# KiCad board Ultrasonic Sound Steering - Control Rev. A.kicad_pcb (continued)
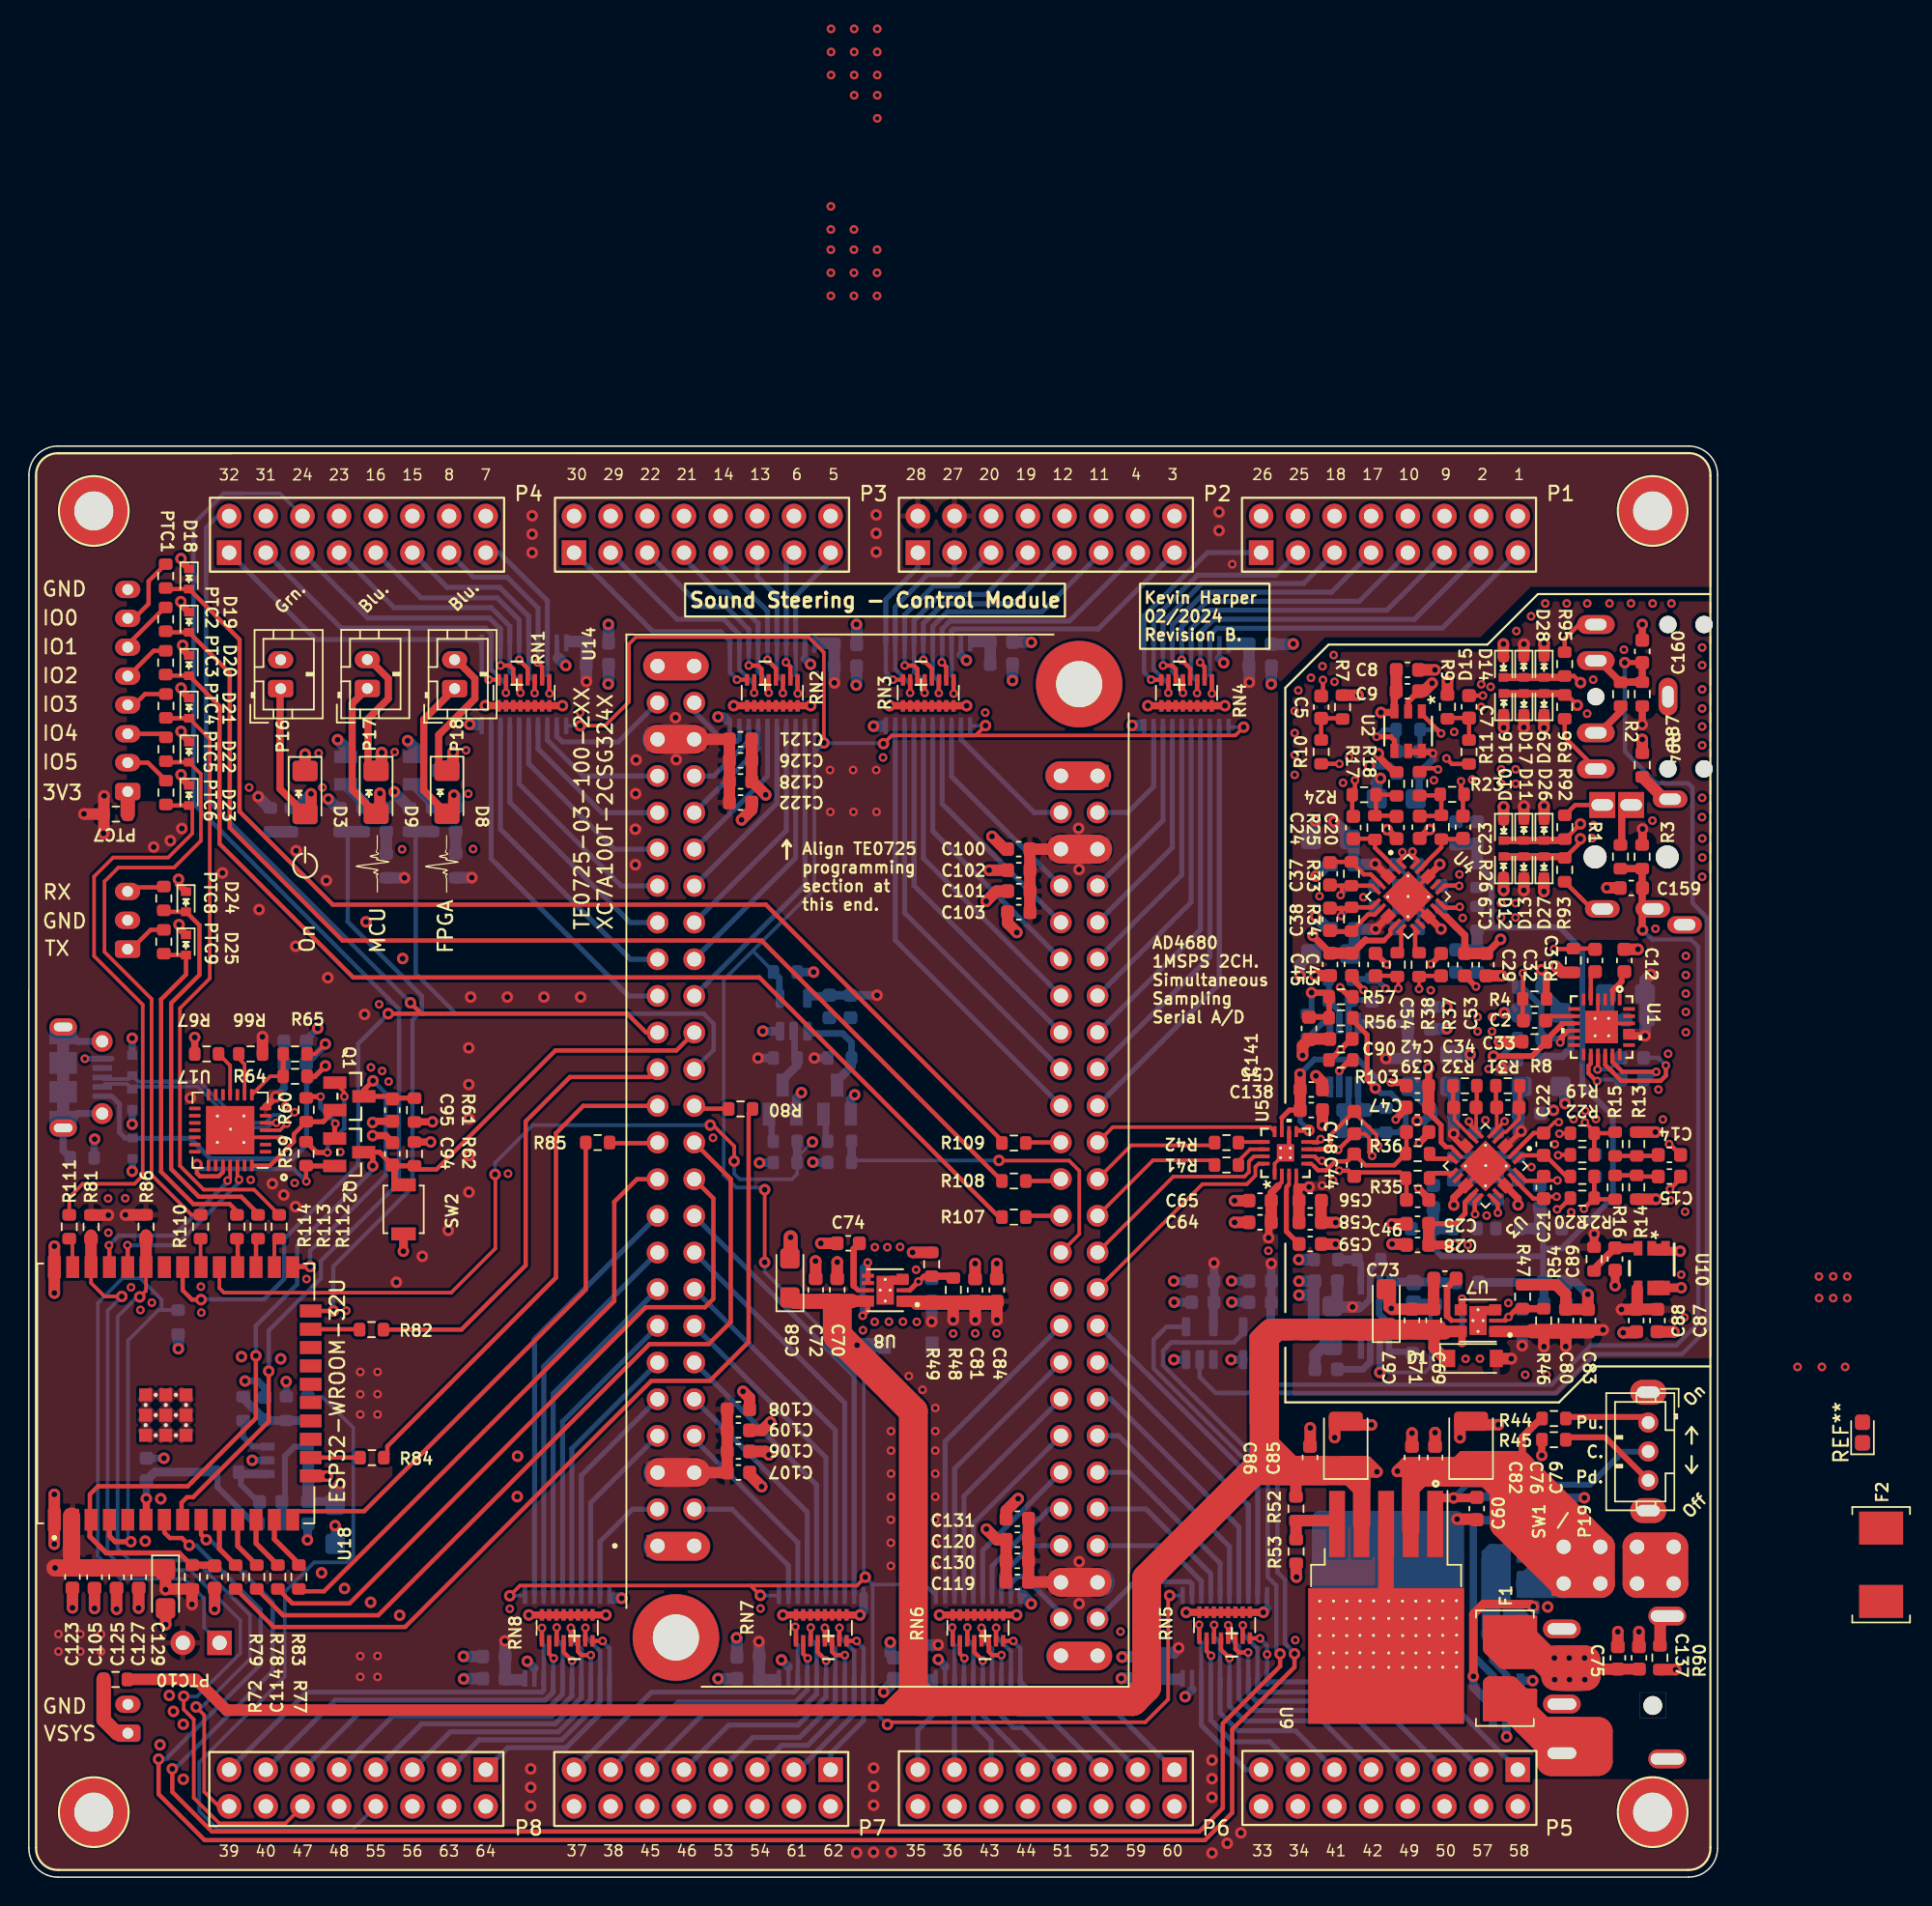
[diagram p0: board, top side]
## Nets (continued)
Net-(C142-Pad1): C142.1 R58.2 U11.7
Net-(C142-Pad2): C142.2 R106.1 U11.6
Net-(C153-Pad1): C153.1 U24.3
Net-(C153-Pad2): C153.2 U24.5
Net-(C154-Pad1): C154.1 U24.7
Net-(C155-Pad1): C155.1 C156.1 L1.1 U24.4
Net-(D3-Pad2): D3.2 P16.1 R51.2
Net-(D8-Pad1): D8.1 P18.2 Q3.3
Net-(D8-Pad2): D8.2 P18.1 R71.2
Net-(D9-Pad1): D9.1 P17.2 Q4.3
Net-(D9-Pad2): D9.2 P17.1 R76.2
Net-(F1-Pad1): F1.1 P13.1
Net-(P1-Pad1): P1.1 U13.11
Net-(P1-Pad3): P1.3 U13.12
Net-(P1-Pad5): P1.5 U13.13
Net-(P1-Pad7): P1.7 U13.14
Net-(P1-Pad9): P1.9 U13.15
Net-(P1-Pad11): P1.11 U13.16
Net-(P1-Pad13): P1.13 U13.17
Net-(P1-Pad15): P1.15 U13.18
Net-(P2-Pad1): P2.1 U16.11
Net-(P2-Pad3): P2.3 U16.12
Net-(P2-Pad5): P2.5 U16.13
Net-(P2-Pad7): P2.7 U16.14
Net-(P2-Pad9): P2.9 U16.15
Net-(P2-Pad11): P2.11 U16.16
Net-(P2-Pad13): P2.13 U16.17
Net-(P2-Pad15): P2.15 U16.18
Net-(P3-Pad1): P3.1 U20.11
Net-(P3-Pad3): P3.3 U20.12
Net-(P3-Pad5): P3.5 U20.13
Net-(P3-Pad7): P3.7 U20.14
Net-(P3-Pad9): P3.9 U20.15
Net-(P3-Pad11): P3.11 U20.16
Net-(P3-Pad13): P3.13 U20.17
Net-(P3-Pad15): P3.15 U20.18
Net-(P4-Pad1): P4.1 RN1.16 RN2.16 RN3.16 RN4.16 RN5.16 RN6.16 RN7.16 RN8.16 U22.11
Net-(P4-Pad3): P4.3 RN1.15 RN2.15 RN3.15 RN4.15 RN5.15 RN6.15 RN7.15 RN8.15 U22.12
Net-(P4-Pad5): P4.5 RN1.14 RN2.14 RN3.14 RN4.14 RN5.14 RN6.14 RN7.14 RN8.14 U22.13
Net-(P4-Pad7): P4.7 RN1.13 RN2.13 RN3.13 RN4.13 RN5.13 RN6.13 RN7.13 RN8.13 U22.14
Net-(P4-Pad9): P4.9 RN1.12 RN2.12 RN3.12 RN4.12 RN5.12 RN6.12 RN7.12 RN8.12 U22.15
Net-(P4-Pad11): P4.11 RN1.11 RN2.11 RN3.11 RN4.11 RN5.11 RN6.11 RN7.11 RN8.11 U22.16
Net-(P4-Pad13): P4.13 RN1.10 RN2.10 RN3.10 RN4.10 RN5.10 RN6.10 RN7.10 RN8.10 U22.17
Net-(P4-Pad15): P4.15 RN1.9 RN2.9 RN3.9 RN4.9 RN5.9 RN6.9 RN7.9 RN8.9 U22.18
Net-(P5-Pad1): P5.1 U12.11
Net-(P5-Pad3): P5.3 U12.12
Net-(P5-Pad5): P5.5 U12.13
Net-(P5-Pad7): P5.7 U12.14
Net-(P5-Pad9): P5.9 U12.15
Net-(P5-Pad11): P5.11 U12.16
Net-(P5-Pad13): P5.13 U12.17
Net-(P5-Pad15): P5.15 U12.18
Net-(P6-Pad1): P6.1 U15.11
Net-(P6-Pad3): P6.3 U15.12
Net-(P6-Pad5): P6.5 U15.13
Net-(P6-Pad7): P6.7 U15.14
Net-(P6-Pad9): P6.9 U15.15
Net-(P6-Pad11): P6.11 U15.16
Net-(P6-Pad13): P6.13 U15.17
Net-(P6-Pad15): P6.15 U15.18
Net-(P7-Pad1): P7.1 U19.11
Net-(P7-Pad3): P7.3 U19.12
Net-(P7-Pad5): P7.5 U19.13
Net-(P7-Pad7): P7.7 U19.14
Net-(P7-Pad9): P7.9 U19.15
Net-(P7-Pad11): P7.11 U19.16
Net-(P7-Pad13): P7.13 U19.17
Net-(P7-Pad15): P7.15 U19.18
Net-(P8-Pad1): P8.1 U21.11
Net-(P8-Pad3): P8.3 U21.12
Net-(P8-Pad5): P8.5 U21.13
Net-(P8-Pad7): P8.7 U21.14
Net-(P8-Pad9): P8.9 U21.15
Net-(P8-Pad11): P8.11 U21.16
Net-(P8-Pad13): P8.13 U21.17
Net-(P8-Pad15): P8.15 U21.18
Net-(P10-Pad6): P10.6 R63.2
Net-(P11-Pad2): P11.2 R95.2
Net-(P11-Pad3): P11.3 R96.2
Net-(P11-Pad4): P11.4 R87.2
Net-(P12-Pad4): P12.4 R94.2
Net-(P12-Pad6): P12.6 R3.2
Net-(P13-Pad5): P13.5 P13.6 R90.2
Net-(P14-Pad1): P14.1 PTC9.1
Net-(P14-Pad3): P14.3 PTC8.1
Net-(P15-Pad1): P15.1 PTC7.1
Net-(P15-Pad2): P15.2 PTC6.1
Net-(P15-Pad3): P15.3 PTC5.1
Net-(P15-Pad4): P15.4 PTC4.1
Net-(P15-Pad5): P15.5 PTC3.1
Net-(P15-Pad6): P15.6 PTC2.1
Net-(P15-Pad7): P15.7 PTC1.1
Net-(P19-Pad1): P19#2.1 PTC10.2
Net-(Q1-Pad1): Q1.1 R59.2
Net-(Q2-Pad1): Q2.1 R60.2
Net-(Q3-Pad1): Q3.1 R69.2
Net-(Q4-Pad1): Q4.1 R74.2
Net-(Q5-Pad3): Q5.3 U23.5
Net-(Q5-Pad4): Q5.4 Q6.1 Q6.2 Q6.5 Q6.6 U23.1
Net-(Q6-Pad3): Q6.3 R89.2
Net-(R6-Pad1): R6.1 R8.2 U1.9
Net-(R6-Pad2): R6.2 R98.1 U1.10
Net-(R35-Pad2): R35.2 U3.13
Net-(R36-Pad2): R36.2 U3.12
Net-(R37-Pad2): R37.2 U4.13
Net-(R38-Pad2): R38.2 U4.12
Net-(R41-Pad1): R41.1 U5.14
Net-(R42-Pad1): R42.1 U5.13
Net-(R44-Pad1): R44.1
Net-(R45-Pad2): R45.2
Net-(R50-Pad1): R50.1 R51.1
Net-(R52-Pad1): R52.1 R53.2 U9.5
Net-(R64-Pad1): R64.1 R65.1 U17.8
Net-(R66-Pad2): R66.2 U17.9
Net-(R67-Pad1): R67.1 U17.11
Net-(R70-Pad1): R70.1 R71.1
Net-(R75-Pad1): R75.1 R76.1
Net-(R77-Pad1): R77.1 U18.10
Net-(R78-Pad1): R78.1 U18.12
Net-(R79-Pad1): R79.1 U18.11
Net-(R80-Pad2): R80.2 U14.26_1
Net-(R82-Pad1): R82.1 U18.23
Net-(R83-Pad1): R83.1 U18.13
Net-(R84-Pad1): R84.1 U18.16
Net-(R85-Pad1): R85.1 U14.23_1
Net-(R88-Pad2): R88.2 R89.1 U23.4
Net-(R101-Pad2): R101.2 U6.3
Net-(R103-Pad2): R103.2 U11.3
Net-(R105-Pad2): R105.2 U11.5
Net-(R107-Pad1): R107.1 U14.26_2
Net-(R108-Pad1): R108.1 U14.24_2
Net-(R109-Pad1): R109.1 U14.22_2
Net-(R110-Pad1): R110.1 U18.30
Net-(R111-Pad1): R111.1 U18.37
Net-(R112-Pad1): R112.1 U18.26
Net-(R113-Pad1): R113.1 U18.27
Net-(R114-Pad1): R114.1 U18.28
Net-(R121-Pad2): R121.2 R122.2 U24.1
Net-(U12-Pad2): U12.2 U14.47_2
Net-(U12-Pad3): U12.3 U14.43_2
Net-(U12-Pad4): U12.4 U14.41_2
Net-(U12-Pad5): U12.5 U14.39_2
Net-(U12-Pad6): U12.6 U14.37_2
Net-(U12-Pad7): U12.7 U14.35_2
Net-(U12-Pad8): U12.8 U14.33_2
Net-(U12-Pad9): U12.9 U14.31_2
Net-(U13-Pad2): U13.2 U14.19_2
Net-(U13-Pad3): U13.3 U14.17_2
Net-(U13-Pad4): U13.4 U14.15_2
Net-(U13-Pad5): U13.5 U14.13_2
Net-(U13-Pad6): U13.6 U14.11_2
Net-(U13-Pad7): U13.7 U14.9_2
Net-(U13-Pad8): U13.8 U14.7_2
Net-(U13-Pad9): U13.9 U14.3_2
Net-(U14-Pad3_1): U14.3_1 U21.9
Net-(U14-Pad4_1): U14.4_1 U19.2
Net-(U14-Pad4_2): U14.4_2 U16.2
Net-(U14-Pad7_1): U14.7_1 U21.8
Net-(U14-Pad8_1): U14.8_1 U19.3
Net-(U14-Pad8_2): U14.8_2 U16.3
Net-(U14-Pad9_1): U14.9_1 U21.7
Net-(U14-Pad10_1): U14.10_1 U19.4
Net-(U14-Pad10_2): U14.10_2 U16.4
Net-(U14-Pad11_1): U14.11_1 U21.6
Net-(U14-Pad12_1): U14.12_1 U19.5
Net-(U14-Pad12_2): U14.12_2 U16.5
Net-(U14-Pad13_1): U14.13_1 U21.5
Net-(U14-Pad14_1): U14.14_1 U19.6
Net-(U14-Pad14_2): U14.14_2 U16.6
Net-(U14-Pad15_1): U14.15_1 U21.4
Net-(U14-Pad16_1): U14.16_1 U19.7
Net-(U14-Pad16_2): U14.16_2 U16.7
Net-(U14-Pad17_1): U14.17_1 U21.3
Net-(U14-Pad18_1): U14.18_1 U19.8
Net-(U14-Pad18_2): U14.18_2 U16.8
Net-(U14-Pad19_1): U14.19_1 U21.2
Net-(U14-Pad20_1): U14.20_1 U19.9
Net-(U14-Pad20_2): U14.20_2 U16.9
Net-(U14-Pad31_1): U14.31_1 U22.9
Net-(U14-Pad32_1): U14.32_1 U20.2
Net-(U14-Pad32_2): U14.32_2 U15.2
Net-(U14-Pad33_1): U14.33_1 U22.8
Net-(U14-Pad34_1): U14.34_1 U20.3
Net-(U14-Pad34_2): U14.34_2 U15.3
Net-(U14-Pad35_1): U14.35_1 U22.7
Net-(U14-Pad36_1): U14.36_1 U20.4
Net-(U14-Pad36_2): U14.36_2 U15.4
Net-(U14-Pad37_1): U14.37_1 U22.6
Net-(U14-Pad38_1): U14.38_1 U20.5
Net-(U14-Pad38_2): U14.38_2 U15.5
Net-(U14-Pad39_1): U14.39_1 U22.5
Net-(U14-Pad40_1): U14.40_1 U20.6
Net-(U14-Pad40_2): U14.40_2 U15.6
Net-(U14-Pad41_1): U14.41_1 U22.4
Net-(U14-Pad42_1): U14.42_1 U20.7
Net-(U14-Pad42_2): U14.42_2 U15.7
Net-(U14-Pad43_1): U14.43_1 U22.3
Net-(U14-Pad44_1): U14.44_1 U20.8
Net-(U14-Pad44_2): U14.44_2 U15.8
Net-(U14-Pad47_1): U14.47_1 U22.2
Net-(U14-Pad48_1): U14.48_1 U20.9
Net-(U14-Pad48_2): U14.48_2 U15.9

Pads without a net: D10 1; D11 2; D12 1; D13 2; D14 2; D15 1; D16 2; D17 1; D26 2; D27 2; D28 2; D29 2; F2 1 2; P10 4; P13 3; Q7 2 3; Q8 2 3; R56 2; R92 1 2; R93 1 2; R128 1 2; R130 1; R131 1 2; R132 1; REF** 1 2; RN1 1 2 3 4 5 6 7 8; RN2 1 2 3 4 5 6 7 8; RN3 1 2 3 4 5 6 7 8; RN4 1 2 3 4 5 6 7 8; RN6 1 2 3 4 5 6 7 8; RN8 1 2 3 4 5 6 7 8; SW1 1 2 3 4 5; U1 1 3 6 7 11 12 13 18 19 23 24; U3 14 20; U4 14 20; U17 1 2 10 12 13 14 15 16 17 18 19 20 21 22 23 27; U18 5 17 18 19 20 21 22 32; U23 3; U24 8; U25 1 2 4; U26 1 2 4; U27 1 2 4

## Via types
v1: diameter 0.6, hole 0.3, Top to Bottom, 353 vias
v2: diameter 0.8, hole 0.4, Top to Bottom, 404 vias

## Routing (per net, layer and track width the routed paths; a pad name or vN(x,y) marks a point on that pad's centre or on a via; arc(x,y) is an arc through that point)
+3.3VA: length 91.6
  Top w0.2: 98.86,51.2 99.31,50.74 99.39,50.74 ; 102.47,50.87 103.24,51.65 ; v2(98.71,51.51) 98.71,51.12 U3.10 ; 99.44,50.82 99.02,50.82 98.75,51.09 U3.10 ; 99.44,50.82 U3.9 U3.10 ; 99.44,50.82 99.44,50.73 99.38,50.67 ; 103.2,51.39 102.5,50.69 102.37,50.69 ; 99.13,50.84 98.87,51.11 ; 99,51.05 98.74,51.32 ; U3.4 102.53,50.82 ; U3.3 102.46,50.75 ; 102.84,51.11 103.11,51.38 ; 103.05,51.24 103.32,51.51
  Top w0.25: 94.33,69.2 94.26,69.13 U4.4 ; U7.2 U7.1 ; U2.5 97.11,78.04 v1(97.28,77.86) 96.68,77.86 U2.6 ; 87.85,47.59 87.85,47.02 C56.2 ; v2(93.3,65.69) 93.3,65.69 ; 87.81,47.91 U5.4 ; 95.49,77.86 97.04,77.86 ; 111.78,79.86 v2(111.77,79.85)
  Top w0.3: 87.85,47.87 87.81,47.91
  Top w0.35: 102.02,50.54 102.17,50.39 ; 94.27,69.2 94.33,69.2 ; 99.81,50.54 99.67,50.39 ; 94.43,69.19 94.29,69.04 ; 94.3,66.83 94.45,66.68 ; 102.17,50.68 102.32,50.53 ; 99.44,50.91 99.3,50.76 ; 101.35,37.86 101.35,37.66 ; 101.35,37.94 101.35,37.74 ; 99.66,50.67 99.52,50.52
  Top w0.5: 110.7,58.44 110.7,58.34 ; C56.2 88,47.74 88.07,47.81 v2(88.7,47.81) ; 87.85,46.87 87.85,47.87 ; 93.3,65.69 94.27,66.65 ; v2(111.98,58.29) 111.12,58.29 111.02,58.39 ; 93.15,70.2 93.27,70.2 v2(93.28,70.2) 94.27,69.2 ; 111.78,81.14 111.78,79.86 ; 110.85,58.39 110.75,58.39 ; 111.3,58.27 111.2,58.27
  Top w0.6: 108.57,43.74 108.48,43.65 R54.2 108.44,44.55 v2(108.45,44.56) ; v2(111.8,72.62) 111.8,71.55 R1.1
  Top w0.8: v2(103.58,85.42) 103.57,85.42 D14.1 ; 87.99,45.36 87.99,46.91 ; v2(103.57,79.65) 103.58,79.66 103.58,80.55 ; 110.35,39.33 111.49,39.33 ; 104.97,37.88 v2(104.97,36.75) ; 104.96,37.74 106.44,37.74 ; 106.49,37.9 106.49,36.77 v2(106.48,36.76) ; v2(103.58,74.2) 103.58,74.2 103.58,73.3 ; 111.43,39.4 111.43,40.76 ; v2(109.06,37.92) 107.97,37.92 ; 101.82,35.92 v2(102.7,35.92) ; 103.58,69.26 103.58,68.37 v2(103.57,68.36) ; 104.04,37.81 101.59,37.81 ; 112.85,39.34 111.33,39.34
  Top w1: 108,37.83 105.45,37.83 ; 106.66,37.83 104.11,37.83
  Bottom w0.2: 95.15,59.15 C92.1
  Bottom w0.25: 90.65,39.74 90.41,39.5
  Bottom w0.35: 92.4,39.5 92.13,39.5
  Bottom w0.4: v2(102.03,56.05) 102.52,56.05 103.12,56.65 ; U24.2 92.93,42.06 R122.1
  Bottom w0.45: U24.2 92.93,40.22 92.91,40.2 92.91,40.02 92.4,39.5 ; 92.14,39.5 90.41,39.5 ; 92.94,41.05 92.94,40.45
  Bottom w0.5: v1(97.28,77.86) 97.28,77.45 C16.1 96.32,74.99
  Bottom w0.6: 92.35,59.15 95.15,59.15
  Bottom w0.8: v2(93.28,70.2) 93.24,70.16 C49.1 ; C151.1 90.65,39.74 ; C91.1 95.54,57.61 ; v2(93.3,65.69) 93.27,65.66 91.84,65.66 91.84,64.16 ; 103.18,54.41 103.18,52.92 C50.1 103.19,51.72 103.22,51.68 v2(103.39,51.68) ; C49.1 91.83,70.2 ; C49.1 91.79,71.66 ; v2(111.98,58.29) 111.98,62.15 v2(112.37,62.54) ; v2(103.46,36.82) 103.46,37.79 ; 98.71,54.42 C41.1 v2(98.71,51.51) ; v2(94.02,56.71) 95.69,56.71 ; 92.13,39.5 90.41,39.5 ; 91.54,72.02 v2(90.43,73.13)
  vias: v1(89.6,47.92) v2(91.71,39.5) v2(110.34,39.33)
+3V3: length 193.7
  Top w0.25: 5.2,74.89 v2(5.22,74.91) ; 60.52,40.16 63.75,40.16 R48.2 63.85,39.66 60.52,39.66 ; 16.19,57.04 R66.1 ; 3.83,73.65 v2(3.82,73.66) ; 86.81,48.13 86.81,48.93 ; 5.2,72.34 v2(5.17,72.31)
  Top w0.3: 86.64,47.96 86.07,47.4 C65.2 ; 86.21,47.57 86.78,48.13
  Top w0.35: 60.28,40.02 60.28,39.81
  Top w0.5: v2(85.89,44.3) 85.89,45.85 ; 16.41,53.37 16.53,53.37 ; 86.54,47.88 86.07,47.42 86.07,46.77 85.89,46.58 ; 16.43,53.39 v2(17.12,54.08)
  Top w0.8: 3.03,21.57 C123.2 3.04,21.59 ; 4.35,45.87 5.5,45.87 v2(5.51,45.86) ; C108.2 48.38,28.04 C107.2 U14.6_1 ; 86.07,45.39 86.07,46.94 ; 8.07,45.88 v2(6.69,45.88) ; R48.2 64.04,39.85 64.04,38.6 ; R72.1 11.3,19.94 v2(11.3,18.89) ; C129.1 v2(9.47,19.92) 9.51,19.96 11.37,19.96 ; 4.52,21.59 4.55,21.56 ; 65.57,38.61 65.57,39.86 ; U14.46_1 C121.2 C122.2 ; U14.6_2 C100.2 69.35,66.86 C103.2 ; 16.19,57.04 v2(16.19,58.22) ; U14.46_2 71.47,20.45 C119.2 C131.2 ; 67.07,38.61 67.07,39.86 ; PTC7.2 5.2,74.89 ; PTC7.2 5.2,72.34 ; PTC7.2 3.83,73.65 ; 62.96,39.9 60.51,39.9
  Top w1: 67.06,39.8 64.23,39.8 ; 63.65,39.8 61.53,39.8 ; 66.49,39.8 63.66,39.8
  Top w1.2: 2.96,21.59 2.96,25.01 ; 9.54,21.42 4.96,21.42 ; 7.89,21.42 3.31,21.42 ; v2(1.82,21.42) 6.53,21.42
  Top w2: U14.46_1 U14.45_1 ; 43.68,28.03 46.22,28.03 ; U14.46_2 U14.45_2 ; U14.6_2 U14.5_2
  Bottom w0.2: 55.4,61.03 C163.2 ; 54.1,58.44 53.93,58.61 ; 86.07,38.17 U26.5 ; 53.23,56.75 53.02,56.95 ; U25.5 54.08,61.03 ; 52.22,54.87 52.22,55.24 ; 53.02,58.57 52.98,58.61
  Bottom w0.25: C62.1 20.98,26.03 21.46,26.03 21.56,26.13 ; 82.11,38.17 U27.5 ; 86.07,42.51 v2(86.08,42.51) ; 16.68,74.08 16.66,74.08
  Bottom w0.4: 54.48,85.23 54.48,85.74 ; 83.2,85.28 83.2,85.79 ; 51.87,13.89 51.87,13.38 ; 54.49,85.27 54.49,85.78 ; 62.72,13.94 62.72,13.43 ; 37.3,85.39 37.3,85.9 ; 79.85,13.93 79.85,13.42 ; 83.19,85.24 83.19,85.75 ; 62.71,13.9 62.71,13.39 ; 37.29,85.35 37.29,85.86 ; 51.88,13.93 51.88,13.42 ; 34.31,13.94 34.31,13.43 ; 34.3,13.9 34.3,13.39 ; 79.86,13.97 79.86,13.46 ; 65.29,85.35 65.29,85.86 ; 65.3,85.39 65.3,85.9
  Bottom w0.45: 53.06,56.99 53.05,57 53.05,59.04 ; 54.1,58.44 56.39,58.44 57,57.84 57,56.75 ; 53.05,58.54 53.02,58.57 ; C164.1 86.02,39.77 ; 86.02,38.23 86.07,38.17
  Bottom w0.5: v2(17.12,54.08) 17.68,54.64 C124.2 ; 17.68,57.94 17.68,55.18
  Bottom w0.6: 82.07,38.21 82.07,39.79 C166.1 C167.1 v2(82.11,42.55) ; 53.23,56.75 53.23,56.25 52.22,55.24 ; 54.08,61.03 55.4,61.03 ; v2(50.52,56.75) R130.2 ; C164.1 C165.1 86.07,42.51 ; C163.2 C162.2 v2(58.76,61.1) ; C63.1 20.98,26.03 ; v2(54.42,56.75) R132.2 ; 55.99,54.87 55.99,55.16 57,56.17 57,56.75 ; 86.03,38.24 86.03,39.78 86.02,39.77
  Bottom w0.65: 21.14,25.68 21.14,26.83 v2(21.56,27.25) 21.56,26.13
  Bottom w0.8: C96.2 66.6,84.05 C98.2 ; 78.55,15.53 79.31,15.53 v2(79.66,15.88) ; v2(26.03,69.24) R75.2 ; 50.59,15.17 50.59,16.31 ; 61.45,13.75 61.45,15.25 ; C115.2 C117.2 ; 19.36,26.05 19.36,27.66 ; v2(63,16.09) 62.21,16.09 61.44,15.32 61.44,15.19 ; 66.52,85.6 65.48,85.6 ; 78.54,15.27 C111.2 ; v2(55.81,82.74) 55.8,82.75 C116.2 55.8,83.9 55.8,85.41 ; 33,15.21 33,16.35 ; 84.42,85.49 83.38,85.49 ; 16.66,74.08 v2(15.89,74.85) ; C99.2 C97.2 ; 19.36,27.01 19.36,28.62 ; 38.62,83.98 38.62,82.84 ; 19.36,26.2 19.36,27.81 ; R70.2 30.68,69.24 v2(30.69,69.25) ; 50.65,13.68 51.69,13.68 ; 62.55,39.86 v2(62.55,38.48) ; 61.5,13.68 62.54,13.68 ; 33.07,13.67 32.99,13.75 32.99,15.28 ; 38.52,85.6 37.48,85.6 ; 55.71,85.48 54.67,85.48 ; 78.64,13.71 79.68,13.71 ; C133.2 38.61,83.99 ; 84.55,83.93 84.55,82.79 ; 19.36,27.14 19.36,28.75 ; 33.09,13.68 34.13,13.68
  Bottom w2: 74.22,20.42 71.68,20.42 ; U14.6_1 U14.5_1 ; 46,78.83 43.46,78.83 ; 74.07,71.22 71.53,71.22
  vias: v1(2.05,16.83) v1(2.05,15.63) v1(3.56,16.83) v1(3.56,15.63) v1(5,16.83) v1(5,15.63) v1(22.96,35) v1(22.96,33.45) v1(22.96,32.05) v1(22.96,15.31) v1(22.96,13.87) v1(24.16,35) v1(24.16,33.46) v1(24.16,32.05) v1(24.16,15.32) v1(24.16,13.87) v1(55.5,76.7) v1(55.58,128.05) v1(55.58,126.45) v1(55.58,124.85) v1(55.56,115.75) v1(55.56,114.15) v1(55.56,112.75) v1(55.56,111.15) v1(55.56,109.55) v1(55.53,73.8) v1(57.1,76.7) v1(57.18,128.05) v1(57.18,126.45) v1(57.18,124.85) v1(57.18,123.45) v1(57.16,114.15) v1(57.16,112.75) v1(57.16,111.15) v1(57.16,109.55) v1(57.13,73.8) v1(58.7,76.7) v1(58.78,128.05) v1(58.78,126.45) v1(58.78,124.85) v1(58.78,123.45) v1(58.78,121.85) v1(58.76,112.75) v1(58.76,111.15) v1(58.76,109.55) v1(58.73,73.8) v1(59.73,30.9) v1(59.73,29.55) v1(59.73,27.95) v1(59.73,26.35) v1(59.72,24.76) v1(59.72,23.16) v1(59.72,21.56) v1(60.97,34.71) v1(61.91,33.77) v1(62.8,32.5) v1(62.8,30.9) v1(62.8,29.55) v1(62.8,27.95) v1(62.8,26.35) v1(62.79,24.76) v1(62.79,23.16) v1(62.79,21.56) v1(83.37,90.96) v2(8.65,71.37) v2(9.8,71.81) v2(10.6,72.65) v2(11.2,53.98) v2(13.41,69.57) v2(15.95,67.03) v2(16.87,48.04) v2(17.66,47.26) v2(18.49,64.49) v2(18.48,46.45) v2(18.52,71.11) v2(20.28,21.08) v2(20.61,69.05) v2(20.72,62.31) v2(21.87,20) v2(23.26,59.77) v2(23.36,66.18) v2(23.68,19.04) v2(25.46,41.22) v2(25.69,18.14) v2(25.9,63.64) v2(27.26,43.01) v2(29.05,44.81) v2(30.48,57.45) v2(30.48,54.91) v2(30.49,52.53) v2(30.49,49.99) v2(30.49,47.45) v2(30.61,60.97) v2(32.99,16.36) v2(33.15,60.97) v2(33.86,29.16) v2(33.84,26.36) v2(34.77,7.5) v2(34.77,6.22) v2(34.77,4.92) v2(34.87,94.32) v2(34.87,93.04) v2(34.87,91.76) v2(35.69,60.97) v2(38.23,60.97) v2(38.63,82.83) v2(42.07,77.4) v2(42.04,75.06) v2(42.02,72.6) v2(42.02,70.14) v2(44.8,80.33) v2(44.85,77.42) v2(50.58,16.32) v2(57.35,1.69) v2(58.53,7.56) v2(58.53,6.28) v2(58.53,4.98) v2(58.52,1.72) v2(58.71,94.38) v2(58.71,93.1) v2(58.71,91.8) v2(59.75,1.72) v2(64.04,38.61) v2(65.57,38.6) v2(67.07,38.6) v2(72.73,72.66) v2(72.76,69.81) v2(72.77,21.85) v2(72.77,18.94) v2(81.97,8.1) v2(81.97,6.82) v2(81.97,5.52) v2(81.97,1.67) v2(82.46,94.57) v2(82.46,93.29) v2(83.02,2.34) v2(83.97,3.07) v2(84.56,82.78)
+4V: length 316.4
  Top w0.25: U7.6 99.2,39.98 v1(99.3,40.07) ; 58.13,41.66 U8.6 U8.7 ; 56.82,40.11 57.02,39.91 ; 88.09,28.3 87.78,28.61 ; 92.34,27.4 C85.1 ; 88.57,28.23 88.82,28.23 ; 99.07,39.19 U7.7 ; 58.13,42.57 v1(58.12,42.58) ; 89.78,28.61 86.35,28.61 ; 87.66,26.48 R52.2
  Top w0.35: v1(57.77,38.89) 58.12,39.24 58.12,39.91 ; 58.14,41.2 58.14,42.11 ; 99.42,37.82 99.29,37.69 ; 56.82,40.11 56.85,40.15 ; 58.38,40.03 58.38,39.82 ; 99.45,37.92 99.45,37.72 ; 58.14,41.7 58.14,42.61
  Top w0.5: v1(99.3,40.07) 99.3,39.31 99.17,39.19 99.07,39.19 ; 99.15,39.46 99.15,39.18 ; 84.83,37.48 85.53,38.18 84.83,37.48 ; 84.83,37.48 84.83,36.49 ; 99.29,37.69 v1(99.29,37.02) ; 99.03,39.41 99.03,39.22 ; 99.37,39.4 99.37,39.21
  Top w0.6: 91.71,27.98 93.3,27.98 v2(93.4,28.08) 91.69,28.08 ; 92.76,28.86 91.02,28.86
  Top w0.8: 92.01,28.23 91.97,28.27 ; 86.64,27.56 89.93,27.56 ; 60.44,12.52 59.52,11.6 ; PTC10.1 6.84,13.7 11.57,13.7 13.7,11.57 63.57,11.57 63.89,11.89 ; C85.1 92.98,28.5 v2(93.4,28.08) ; 89.19,27.56 92.48,27.56 ; 60.31,12.5 59.39,11.58 ; 93.19,28.29 92.72,28.76 ; 60.89,12.97 59.97,12.05 ; 60.65,12.84 59.73,11.92 ; 88.76,28.3 88.82,28.23 ; 61.46,12.83 60.54,11.91 ; 59.72,11.7 60.04,12.02 ; 86.19,30.2 88.09,28.3 89.86,28.3 ; 91.25,27.69 92.38,26.56 ; D1.1 98.1,35.93 97.35,36.68 97.35,37.38 ; 99.22,37.81 96.77,37.81 ; 61.51,12.23 61.51,12.79 61.44,12.86 60.88,12.86 59.96,11.94 ; 88.07,27.56 91.36,27.56 ; 58.12,39.91 55.67,39.91 ; 92.54,28.65 92.54,26.91 ; 90.79,28.76 92.53,28.76 ; 59.91,11.89 59.59,11.57 ; 87.78,28.09 87.78,26.35
  Top w1: 90.06,38.15 90.1,38.19 92.09,38.19 ; 85.08,32.69 85.08,36.76 85.8,37.48 85.8,32.84 ; 95.37,37.75 93.3,37.75 ; 55.51,39.87 53.02,39.87 C68.1 ; 93.93,37.69 91.96,37.69 ; 85.08,37.32 85.08,33.25 ; 86.02,38.19 88.28,38.19 ; 92.19,37.69 90.22,37.69 90.17,37.74 ; 93.77,38.19 91.8,38.19 ; 86.17,37.84 85.81,37.48 ; v2(57.38,36.85) 56.75,36.85 ; 98.1,37.75 96.03,37.75 ; 94.08,37.69 92.11,37.69 ; 97.67,38.13 95.8,38.13 ; 94.45,38.13 92.38,38.13 ; 93.63,37.69 91.66,37.69 ; 85.08,36.08 85.08,31.44 ; 94.12,37.75 94.07,37.7 ; 55.74,39.91 53.25,39.91 ; 96.12,38.13 93.29,38.13 ; 56,39.11 55.21,39.9 ; 94.01,38.16 93.97,38.2 ; 96.99,38.13 95.12,38.13 ; 57.02,39.91 54.95,39.91 ; 55.11,39.91 C70.2 ; 90.06,37.84 90.17,37.73 ; 93.57,38.19 91.6,38.19 ; 89.26,37.84 91.52,37.84 ; 97.04,37.75 94.21,37.75
  Top w1.2: 87.6,28.22 87.58,28.24 ; 85.33,28.27 85.64,28.58 89.78,28.58 ; 92.34,24.48 92.34,27.4 C85.1 90.97,28.23 88.82,28.23 ; 89.61,28.24 91.75,28.24 ; 87.56,28.57 89.71,28.57 ; 88.22,28.23 90.36,28.23 ; 88.6,28.36 88.38,28.58 ; 89.58,28.24 86.04,28.24 ; 88.13,28.57 90.27,28.57 ; 87.66,28.22 89.8,28.22
  Top w1.5: 85.55,37.23 86.14,37.82 ; 88.21,37.94 90.47,37.94 ; 87.43,37.94 86.25,37.94 ; 85.57,37.52 85.82,37.77 ; 85.36,35.98 85.36,37.23 ; 85.75,37.69 86,37.94 ; 86.51,37.94 88.77,37.94 ; 85.37,37.32 85.62,37.57 ; 86.07,37.5 86.32,37.75 ; 85.33,37.27 85.58,37.52 ; 86.02,37.6 86.27,37.85
  Top w2: 85.61,36.53 85.61,29.35 86.35,28.61 ; 85.61,37.2 85.61,33.45 ; 87.64,28.16 84.9,28.16 ; 89.1,28.16 86.36,28.16 ; 76.48,12.17 76.61,12.3 76.61,12.34 ; 76.48,12.17 77.44,13.13 77.44,20.71 85.58,28.85 85.58,32.44 ; 76.48,12.17 61.59,12.17 ; 62.16,12.17 61.28,13.05 61.28,32.28 56.01,37.55 56.01,39.4
  Bottom w0.25: 92.53,28.08 D4.2
  Bottom w0.4: v1(99.3,40.07) 99.3,37.02 v1(99.29,37.02) ; v1(57.77,38.89) 57.77,42.23 v1(58.12,42.58)
  Bottom w0.8: v2(93.4,28.08) 92.53,28.08
  Bottom w1: D2.1 v2(57.38,36.85)
+5V: length 239
  Top w0.25: 102.53,28.51 99.92,28.51
  Top w0.35: 105.99,20.95 106.07,20.95 ; 105.65,19.66 P9.1
  Top w0.45: 99.82,27.68 100.45,27.68 102.52,25.61 ; 101.27,27.44 101.92,26.79 ; 101.57,27.75 102.22,27.1 ; 101.18,27.32 101.83,26.67
  Top w0.5: 103.5,28.62 103.47,28.65 103.47,30.48 104.76,31.77 104.93,31.77
  Top w0.6: 104,28.75 103.54,29.21 99.29,29.21 98.06,27.98 ; 96.54,28.02 94.92,28.02 v2(94.82,28.12) ; 98.08,27.97 99.31,29.2 100.81,29.2
  Top w0.8: 95.82,28.3 95.82,28.3 ; 95.82,28.3 99.11,28.3 ; 95.82,28.3 94.99,28.3 v2(94.82,28.12) 95.4,28.7 98.33,28.7 ; 99.02,27.9 95.73,27.9 ; 99.07,28.7 95.78,28.7 ; 99.72,27.46 101.32,27.46 ; 99.48,28.7 96.19,28.7 ; 99.93,27.9 96.64,27.9 ; 95.94,28.5 95.94,25.21 ; 99.48,27.78 96.19,27.78 ; 96.99,27.46 98.59,27.46 ; 95.94,27.26 95.94,23.97 ; 95.7,27.47 95.7,25.32 ; 95.54,25.21 95.54,28.5 ; 95.65,27.46 97.25,27.46 ; 99,27.46 100.6,27.46 ; 98.8,27.78 100.7,27.78 ; 99.44,28.6 96.15,28.6 ; 95.54,27.3 95.54,24.01 ; 95.7,28.33 95.7,26.18 ; 98.06,27.46 99.66,27.46 ; 95.68,26.57 96.81,27.7
  Top w1: 99.22,28.19 95.94,28.19
  Top w2: 108.87,20.35 P9.1 P9.2 ; 102.22,27.55 102.22,24.46 104.78,21.9 ; 107.01,22.8 104.64,25.17 ; 104.31,25.51 101.94,27.88 ; P9.2 104.59,22.89 102.22,25.25 102.22,26.89 100.6,28.51 99.92,28.51 103.26,28.51 P9.4 P9.3 P9.2 ; 106.76,20.71 104.39,23.08 ; 108.88,22.88 106.34,22.88 ; 105.54,21.93 103.17,24.3 ; 106.33,20.35 103.96,22.72 ; 105.75,24.06 103.38,26.43
  Bottom w0.25: 106.01,20.01 P9.1 ; 95.75,28.12 D4.1
  Bottom w0.45: 103.93,20.69 106.59,20.69 ; P9.3 108.11,19.57 104.89,19.57 ; 103.34,19.57 106,19.57 ; 104.58,20.17 106.46,22.06 ; 103.99,21.32 105.88,23.2 ; 103.51,20.9 106.17,20.9 ; 104.29,21 106.95,21 ; 103.29,19.87 103.29,20.88 ; 103.91,19.57 106.57,19.57 ; 103.94,20.39 105.82,22.28 ; 103.72,21 106.38,21 ; 103.45,21 106.11,21 ; 104.12,20.86 106.78,20.86 ; 103.29,19.99 103.29,21 ; 103.32,20.71 105.98,20.71 ; 103.29,19.57 105.95,19.57 ; 104.09,21.39 105.97,23.28 ; 103.6,20.44 105.48,22.33 ; 104.23,20.2 106.11,22.09 ; 104.29,21.6 106.17,23.49 ; 103.3,20.61 105.18,22.5 ; 103.32,21 105.98,21 ; 103.52,20.84 105.4,22.73
  Bottom w0.5: 103.36,20.21 106.02,20.21 ; 103.47,19.63 106.13,19.63 ; 103.37,19.8 106.03,19.8 ; 103.48,19.62 106.14,19.62 ; 103.32,20.4 105.98,20.4 ; Q6.4 106.01,20.01
  Bottom w0.8: 95.75,28.12 v2(94.82,28.12)
  Bottom w2: P9.3 P9.2 P9.4 ; P9.3 P9.1 106.42,20.35 108.88,22.8 P9.4 ; P9.3 P9.4
GND: length 1001.7
  Top w0.25: v2(20.54,57.73) 19.85,57.03 R65.2 ; 94.05,63.22 94.06,63.23 v1(94.09,63.23) ; 60.51,41.66 60.32,41.66 ; C53.2 97.84,63.94 ; 28.04,52.25 v2(27.96,52.33) ; U7.11 100.9,39.06 U7.4 U7.5 ; 91.59,62.46 C43.2 91.78,62.46 ; 25.8,43.37 25.79,43.36 ; v1(96.31,50.85) 96.33,50.87 ; 102.32,47.87 102.32,47.87 U3.25 99.62,47.98 99.62,47.98 ; U1.22 109.21,59.15 U1.25 108.71,59.15 U1.4 ; U9.6 U9.3 ; 96.81,66.83 96.67,66.83 NOREF#14.39_16 96.83,69.21 ; C39.2 95.43,53.25 ; U5.1 86.31,49.43 86.66,49.78 ; v2(97.84,65.69) 97.82,65.69 ; 11.43,58.24 v2(11.49,58.18) ; 60.51,41.16 59.82,41.16 ; U17.29 14.45,51.25 U17.3 17.35,51.25 v1(17.48,51.12) ; 60.33,41.66 U8.11 59.83,41.16 ; 108.02,39.34 C83.1 ; 90.96,81.84 R7.1 ; v2(97.75,70.18) 97.75,70.14
  Top w0.3: 98.33,81.86 R9.1 ; U5.10 87.31,50.53
  Top w0.35: 99.65,48.17 99.8,48.02 ; 59.76,41.49 60.77,41.49 ; 96.67,69.2 96.82,69.05 ; 59.76,41.35 60.77,41.35 ; 96.81,66.83 96.67,66.68 ; 59.76,41.41 60.77,41.41 ; 60.77,41.41 60.77,41.2 ; 60.77,41.62 60.77,41.41 ; 59.76,41.3 60.77,41.3 ; 102.18,48.18 102.04,48.03
  Top w0.4: C9.2 95.56,81.44 U2.2 ; v1(92.47,61.46) 91.59,62.34 91.59,62.46 ; C54.1 94.06,63.23 v1(94.09,63.23) ; 91.5,60.99 v1(90.85,61.64) ; v1(100.26,61.7) 100.24,61.7 99.48,62.46 ; v1(97.14,63.25) 97.15,63.25 97.84,63.94
  Top w0.5: R67.2 v2(11.49,58.18) 11.43,58.24 ; v2(10.53,88.37) 10.53,88.21 D19.1 ; v2(82.87,81.16) v2(77.53,81.16) ; v2(57.58,18.16) v2(52.24,18.16) ; v1(96.26,47.73) 96.99,47 C46.2 ; v2(10.54,76.38) 10.54,76.2 D23.1 ; v2(68.43,18.16) v2(63.09,18.16) ; 101.78,39.27 101.78,39.35 ; v2(64.97,81.16) v2(59.63,81.16) ; D22.1 11.1,78.72 10.54,79.27 v2(10.54,79.38) ; v2(34.64,18.16) v2(39.98,18.16) ; 10.37,69.21 10.37,68.8 D24.1 ; v2(48.83,81.16) v2(54.17,81.16) ; 97.82,65.69 96.97,66.54 ; 99.62,47.98 98.72,47.08 v2(98.72,46.56) ; v2(80.18,18.34) v2(85.52,18.34) ; D18.1 10.54,91.2 v2(10.54,91.35) ; 101.74,39.32 100.28,39.32 ; v2(10.41,65.99) 10.41,65.76 D25.1 ; 95.43,53.25 94.7,52.52 v1(94.7,52.49) ; v2(111.78,86.79) C160.2 ; C29.2 99.39,62.44 ; v2(10.66,85.35) 10.66,85.08 D20.1 ; 94.39,55.09 94.43,55.05 95.21,55.05 C42.2 ; C19.1 96.97,72.58 v2(97.05,72.58) ; v2(27.84,50.93) R62.1 ; 97.75,70.14 96.83,69.21 96.82,69.21 ; C47.1 96.99,51.54 v1(96.31,50.85) ; v2(104.82,29.21) 104.82,30.3 R45.1 ; 102.32,47.87 103.17,47.02 v2(103.17,46.57) ; v2(10.54,82.38) 10.54,82.25 D21.1 ; v2(23.82,51.37) 24.7,51.37 C94.1 ; v2(36.97,81.16) v2(31.63,81.16) ; v2(23.82,52.28) 23.9,52.37 C95.2 ; 26.72,52.33 v2(27.96,52.33) ; C20.2 94.13,72.57 v2(94.1,72.57) ; 93.2,64 C54.1 ; 97.67,65.84 96.81,66.7
  Top w0.6: 94.42,39.36 94.42,40.73 ; SW2.2 25.96,43.37 ; C89.1 v2(109.9,40.97) ; U10.1 U10.2 ; 94.15,39.44 94.19,39.4 v2(94.39,39.4) ; 94.15,39.45 94.15,40.83 ; 112.89,43.37 v2(114.41,43.37)
  Top w0.7: 93.9,24.27 93.9,18.01 ; 94.21,24.99 94.21,18.73 ; 93.83,24.11 93.83,17.85
  Top w0.8: C108.1 49.93,33.2 v2(49.48,33.65) ; D15.2 102.16,84.54 v2(102.16,85.43) ; v2(12.87,18.56) C114.1 ; 52.73,43.05 52.78,43.1 v2(52.78,44.32) ; v2(66.33,67.61) 67.03,68.31 C101.1 ; C12.1 v2(111.48,64.28) ; v2(66.73,72.1) 67.61,71.22 67.8,71.22 ; v2(102.18,68.36) 102.17,68.37 D12.2 ; 1.76,24.82 v2(1.76,26.52) ; v2(104.98,85.49) 104.98,84.56 ; v2(98.28,82.89) R9.1 ; v2(6.08,18.57) C125.1 ; v2(9.48,17.49) 9.48,18.71 ; 89.52,46.87 89.52,45.39 C58.1 ; C81.1 v2(65.56,42.51) ; v2(68.54,26.22) 67.71,25.39 C131.1 ; v2(97.22,82.72) 96.66,82.16 C9.2 ; 91.66,62.46 C43.2 ; v2(89.17,55.51) 89.62,55.06 C55.1 ; R90.1 v2(114.08,14.38) ; C127.1 7.61,18.65 v2(7.6,18.64) ; v2(112.74,46.97) R14.1 ; v2(94.39,39.4) 94.45,39.34 C71.1 C69.1 97.33,39.35 97.33,41.46 C73.1 ; v2(19.14,77.8) 19.14,76.64 ; 99.96,31.34 v2(101.81,31.34) ; 111.56,15.97 111.55,15.98 v2(111.55,17) ; C138.1 v2(89.62,52.11) ; v2(113.98,37.77) 113.96,37.79 C87.1 ; v2(68.45,65.45) 67.81,66.09 C103.1 ; 62.61,43.28 v2(61.23,43.28) ; C32.2 v2(102.05,62.44) ; v2(1.76,23.07) 1.76,25 1.77,25.01 ; C84.1 v2(67.06,42.51) ; 88.78,29.85 v2(88.78,31.12) ; v2(92.08,81.89) R7.1 ; 103.42,41.04 105.82,41.04 106.49,40.37 106.49,39.3 ; v2(54.5,42.68) 54.51,42.67 C72.1 ; v2(94.45,43.86) 95.28,43.86 95.35,43.79 ; v2(51.27,29.25) 51.03,29.49 C106.1 ; v2(87.82,20.79) 87.8,20.81 R53.1 ; 98.96,24.8 100.31,24.8 100.32,24.79 ; 108.01,40.36 108.01,40.36 108.01,39.34 ; C76.1 v2(97.42,30.8) ; C90.1 88.71,58.07 88.24,57.6 v2(88.24,56.93) ; 95.32,45.24 v2(94.42,45.24) ; R94.1 v2(111.78,78.82) ; C122.1 50.08,73.96 v2(49.38,73.25) ; v2(110.46,37.72) 110.46,37.72 111.35,37.72 ; C109.1 50.81,30.95 v2(51.38,31.52) ; v2(56.01,42.61) 56,42.61 C70.1 ; 89.51,45.35 v2(90.54,45.35) ; v2(50.77,27.05) 49.94,27.88 C107.1 ; v2(89.09,62.46) C45.2 ; 110.1,15.97 110.09,15.98 v2(110.09,17) ; 91.48,31.33 v2(93.02,31.33) ; 4.54,20.02 C105.1 v2(4.55,18.62) ; v2(51.05,74.98) 50.12,75.91 C128.1 C121.1 C126.1 ; v2(104.97,74.22) 104.98,74.22 104.98,73.28 ; 1.76,42.17 v2(1.76,40.47) ; C102.1 v2(66.53,69.76) ; v2(102.18,79.63) 102.18,80.57 ; v2(102.17,74.16) 102.17,74.16 D10.2 ; 110.28,68.54 v2(109.33,68.54) ; 99.15,31.82 v2(99.15,30.44) ; 84.56,46.86 v2(83.53,46.86) ; 113.11,43.47 112.71,43.47 ; v2(101.89,57.88) R8.1 ; v2(66.34,24.11) 67.08,23.37 C120.1 C119.1 ; 104.96,69.22 104.96,68.29 ; 84.56,45.36 v2(83.53,45.36) ; 1.77,42.01 v2(1.77,43.71) ; 90.47,31.83 v2(90.47,30.45) ; R5.1 106.2,62.68 v2(105.78,63.11) ; v2(104.97,79.62) 104.97,80.56 ; 112.72,51.62 111.38,51.62 ; 89.63,43.85 v2(90.53,43.85) ; v2(3.02,18.66) C123.1 ; C82.1 v2(95.82,30.77) ; C80.1 108.02,39.34 ; C8.2 v2(97.41,83.64) ; v2(20.67,27.78) 19.51,27.78 ; 55.77,43.91 v2(54.87,43.91)